# Altium PCB Napelemes_inverter.PcbDoc (part 2 of 3)
Units mil, origin at the board's own origin, x right, y up, seen from the top; angles counter-clockwise.
Board outline 11440 x 4760 mil, 2 copper layers (Top Layer, Bottom Layer); 247 components, 166 nets, 771 pads, 552 vias.
Unrouted connection lines stored in the file: 2.
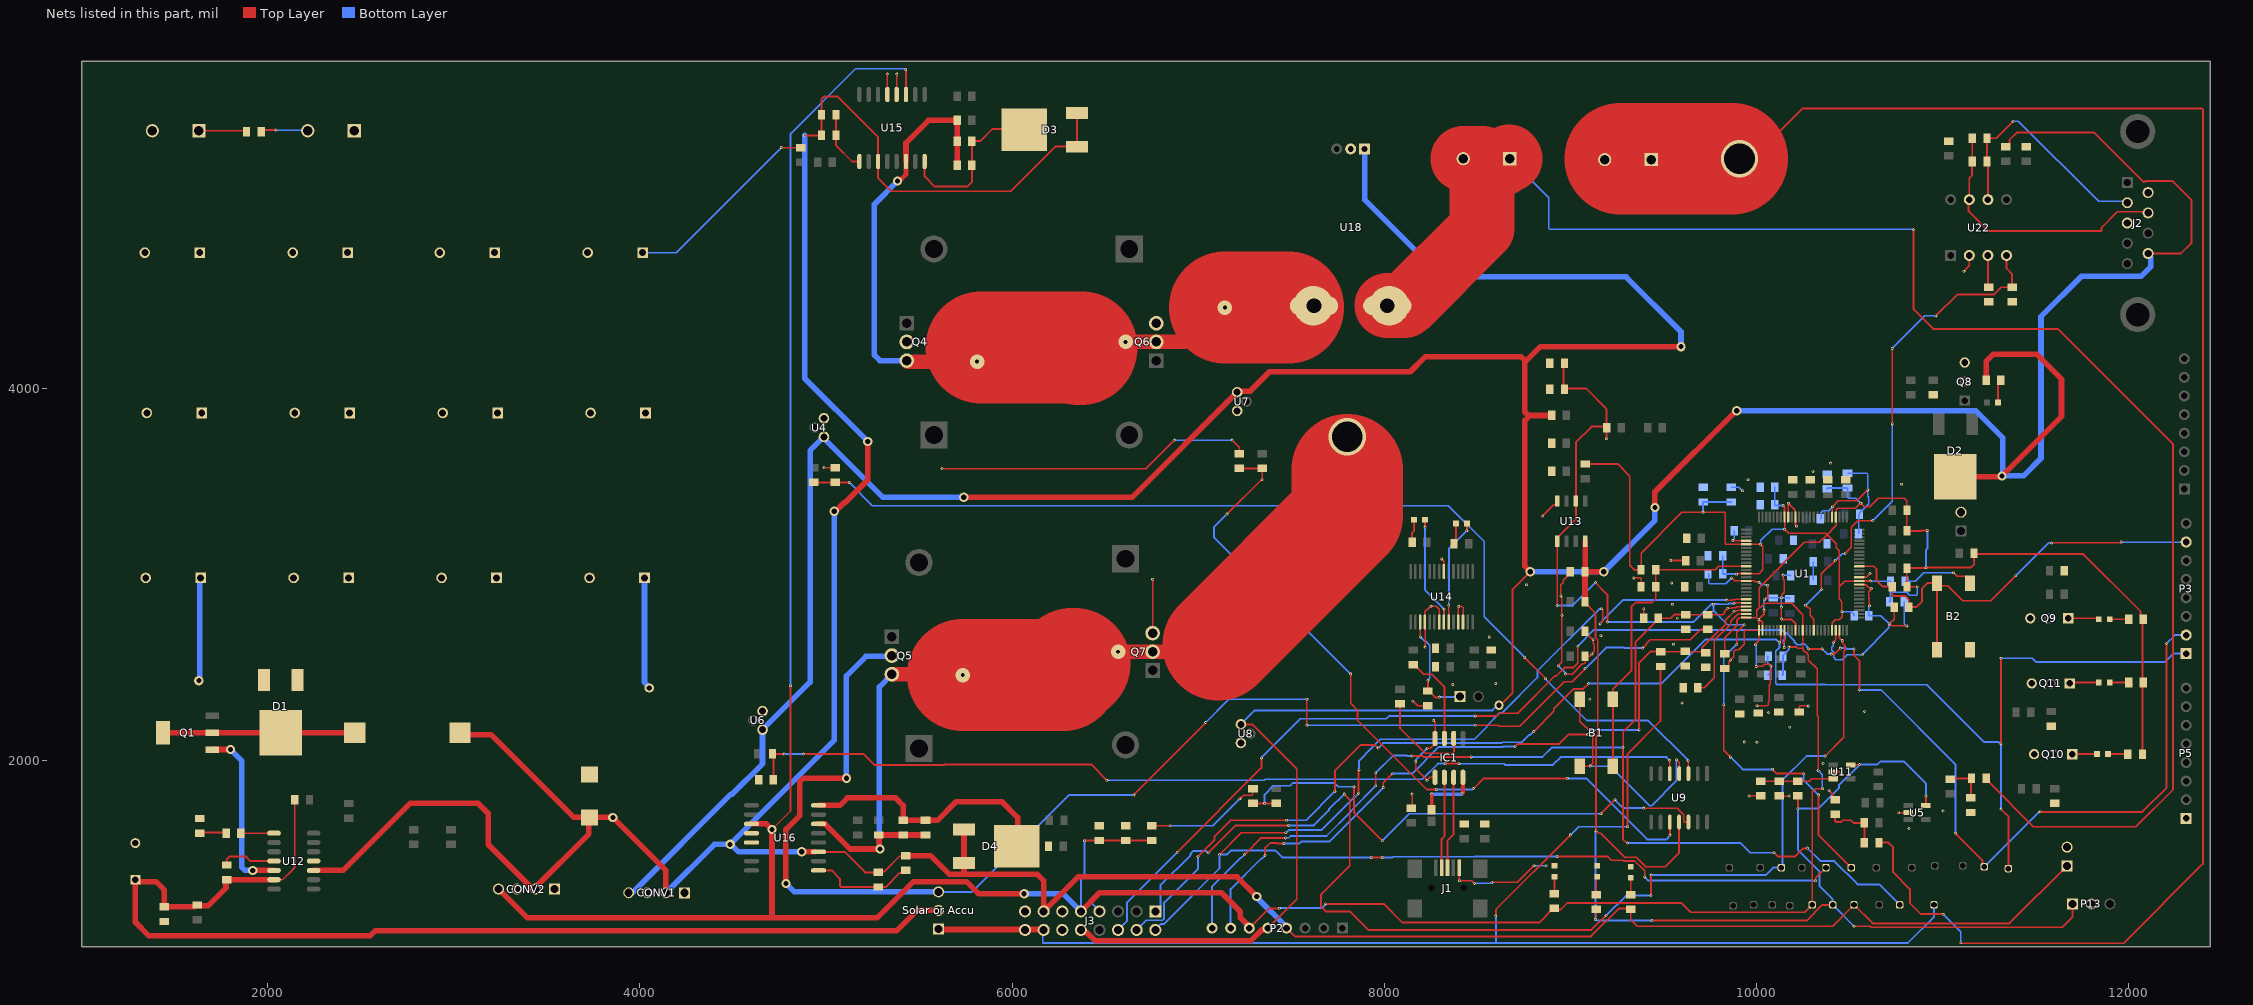
[diagram p2: the nets of this part, all layers, seen from the top]

## Via types
v1: diameter 15, hole 8, Top Layer to Bottom Layer, 504 vias
v2: diameter 50, hole 28, Top Layer to Bottom Layer, 36 vias
v3: diameter 78, hole 20, Top Layer to Bottom Layer, 5 vias
v4: diameter 170, hole 140, Top Layer to Bottom Layer, 4 vias
v5: diameter 200, hole 165, Top Layer to Bottom Layer, 2 vias
v6: diameter 30, hole 20, Top Layer to Bottom Layer, 1 vias

## Nets (pads, with @x,y where several pads share a name; then routed paths per layer and width w, separated by ;. In a path a pad name is that pad's centre, name@x,y a point inside that pad or via, vN(x,y) a via of type N, cw(c..) or ccw(c..) an arc to the next point about the centre after c; other vN are vias at no path point) (continued)
3V3: 3V3.6 C62.2 C63.2 C64.2 C75.2 C76.2 C77.2 C78.2 C79.2 C80.2 C81.2 C82.2 C83.2 C84.2 C85.2 C86.2 C87.2 C100.2 CONV2.4 J3.9 P2.6 R7.2 R8.2 R10.2 R11.2 R12.2 R72.2 R86.2 R87.2 R96.2 R97.2 R102.2 U1.5 U1.13 U1.25 U1.38 U1.46 U1.61 U1.79 U1.93 U15.3 U16.3 | length 24829.8
  Top Layer w8: R8.2@9380.63,3025 9380.63,3115.63 9600,3335 v1(9713.11,3335) 9827.31,3335 9832,3330.31 9832,3166.69 9836.69,3162 U1.5@9945.87,3162 ; U1.13@9945.87,3005 10015,3005 10035,3025 10035,3150 v1(10022.3,3162.7) U1.5@9945.87,3162.7 ; U1.25@9947,2768.87 9996.36,2768.87 10001.05,2773.56 10001.05,2807.67 10015,2821.62 ; U1.93@10151.57,3309.13 v1(10151.57,3243.43) 10151.97,3243.43 10173.39,3222 10373,3222 10380,3215 ; 10249.8,2608.31 U1.38@10249.8,2700.87 10249.8,2785.2 10190,2845 10045.7,2845 10022.32,2821.62 10015,2821.62 ; 10250.61,2604.13 10251.53,2603.22 10251.53,2593.47 10263.34,2581.66 10267.78,2581.66 10279.59,2569.85 10279.59,2540.41 10326.61,2493.39 10326.61,2242.65 10331.91,2237.35 v1(10331.91,1947.15) ; 3V3.6@10300,1225 10300,1830.25 10318.75,1849 v1(10355,1849) ; U1.46@10407.48,2700.87 10407.48,2741.41 10424.07,2758 10446.41,2758 10463,2774.59 10463,2795.4 10460.16,2798.25 v1(10460.16,2800.14) ; v1@10460,2800 10460,2855 10445,2870 10445,2935 ; U1.61@10553.91,2965.41 10475.41,2965.41 10445,2935 ; R102.2@10809.37,2945 R10.2@10809.37,3035 ; R11.2@10809.37,3235 R12.2@10809.37,3345 10809.37,3395.63 10795,3410 10655,3410 10610,3365 10580,3365 10560,3385 10531.69,3356.69 10435.27,3356.69 10428.25,3349.68 10428.25,3265.99 10427.17,3264.91 10427.17,3262.17 10380,3215 ; R102.2@10819.37,2935 v1(10865,2935) ; 10015,2821.62 10015,2930 10258.64,3173.64 10338.64,3173.64 10380,3215 ; 10380,3215 10430,3165 10430,3143.15 10445,3128.15 10445,2935
  Top Layer w10: v2(4710,1630) 4809.39,1729.39 v1(4809.39,2401.99) ; U15.3@5430,5580.12 v1@5430,5715 ; v1(6390,1570) 6391.26,1571.26 C64.2@6470,1571.26 C63.2@6610,1571.26 C62.2@6750,1571.26 ; P2.6@7275,1100 7380,1205 v1@7435,1205 ; v1(7685,1230) 7998.38,1230 8098.38,1130 8832.83,1130 8909.09,1206.26 R87.2@8915,1206.26 8921.26,1200 8950,1200 8985.32,1235.32 9597.5,1235.32 9647.81,1185 10260,1185 3V3.6@10300,1225 ; R72.2@9080,3594.37 9254.37,3594.37 9320,3528.74 9320,3050 9345,3025 R8.2@9380.63,3025 ; C100.2@9830,2573.74 9830,2660.84 9896.78,2727.61 9896.78,2756.84 9907.81,2767.87 9922.12,2767.87 9923.02,2768.78 U1.25@9945.66,2768.78 ; v1(9893,3002) 9894.35,3002 9897.35,3005 U1.13@9945.66,3005 U1.13@9945.87,3005 ; v1(10144.72,3370.76) 10144.72,3369.4 10151.37,3362.75 10151.37,3313.47 U1.93@10152.28,3312.57 ; v1(10175,2610) 10216,2610 10222.29,2603.71 10250.19,2603.71 10250.61,2604.13 ; U1.61@10558.27,2965.94 10559.21,2965 v1(10613.11,2965) ; R10.2@10809.37,3035 v1@10910,3035 ; R11.2@10809.37,3235 10889,3235 10891.15,3237.15 v1(10919,3237.15) ; v1(10911.91,3037.15) 11152.15,3037.15 11170.86,3055.86 11170.86,3072.92 11169.37,3074.41 R7.2@11169.37,3115 11174.37,3110 11757.31,3110 12064.68,2802.62 12064.68,2774.69 R86.2@12079.37,2760 12075,2755.63 12075,2424.37 R97.2@12079.37,2420 12075,2415.63 R96.2@12075,2035
  Top Layer w30: CONV2.4@3240,1310 3395,1155 4710,1155 ; U16.3@4599.88,1660 4680,1660 v2(4710,1630) 4710,1155 ; v2(6065,1285) 5820,1285 5755.47,1349.53 5469.53,1349.53 5275,1155 4710,1155 ; J3.9@6370,1190 6470,1290 7125,1290 7227.01,1187.99 7227.01,1155.85 7275,1107.86 P2.6@7275,1100
  Bottom Layer w8: v1(10022.3,3162.7) 10024.6,3165 10024.6,3183.54 10084.48,3243.43 v1(10151.57,3243.43) ; v1(10331.91,1947.15) 10355,1924.06 v1(10355,1849) ; 10720.63,2905 10809.44,2905 10824.44,2890 10860,2890 10865,2895 v1(10865,2935)
  Bottom Layer w10: v1@4810,2400 4810,5370 5158.77,5718.77 5418.21,5718.77 5420.1,5716.88 5427.16,5716.88 v1(5429.07,5714.97) ; J3.9@6370,1190 6370,1375.13 6390,1395.13 v1(6390,1570) ; v1(7436.91,1207.15) 7665.42,1207.15 7672.49,1214.23 7672.49,1214.78 7685,1227.29 v1(7685,1230) ; v1(9713.11,3335) 9713.11,3388.11 C76.2@9715,3390 C75.2@9865,3390 ; C79.2@9819.37,3101 C80.2@9819.37,3005 9820.37,3004 9889.65,3004 9891.65,3002 v1(9893,3002) ; C85.2@10099.37,3470 C86.2@10099.37,3375 10103.62,3370.76 v1(10144.72,3370.76) ; C78.2@10139.37,2460 10143.74,2464.37 C77.2@10143.74,2560 10143.74,2565.91 10174.04,2596.21 10174.04,2609.04 v1(10175,2610) ; C84.2@10380,3460.63 10385,3465.63 C83.2@10490,3465.63 10490,3415.86 10495.86,3410 10535,3410 v1(10561.97,3383.03) ; v1(10460.16,2800.14) 10510.94,2800.14 10525.63,2785.46 C87.2@10525.63,2780 ; v1@10615,2965 10616,2964 C82.2@10720.63,2964 10720.63,2905 10720.63,2860 C81.2@10715.63,2855 ; v1(10911.91,3037.15) 10911.91,3133.61 10919,3140.7 v1(10919,3237.15)
  Bottom Layer w30: v2(6065,1285) 6275,1285 J3.9@6370,1190
5V: 5V.5 C66.1 CONV1.4 D2.4 J2.9 J3.10 P2.5 P13.1 R40.2 R56.2 R76.1 R82.1 R88.2 R93.2 U4.1 U5.5 U6.1 U7.1 U8.1 U9.11 U11.5 U13.8 U18.1 | length 31808.7
  Top Layer w10: U8.1@7230,2195 7291.58,2195 7530,1956.58 7530,1255 P2.5@7375,1100 ; v2(8617.39,2297.61) 8622.61,2297.61 8690,2365 8690,2920 v2(8785,3015) ; R76.1@9079.37,2855 9079.37,2849.09 9135,2793.46 9135,2664.06 9148,2651.06 9148,2142.09 9139,2133.09 9139,1622.77 v1(9138.73,1622.5) 9140.08,1622.5 9152.73,1609.85 9164.98,1609.85 9294.12,1480.71 9355.24,1480.71 9405.95,1430 9510,1430 9585,1505 U9.11@9585,1670 ; v1@9140,1150 R88.2@9140,1200.63 ; v1(9439.82,1140.18) 9440,1140 10270.36,1140 10355.36,1225 5V.5@10410,1225 ; v1(10223,1742) R40.2@10223,1810.63 ; U11.5@10507.49,1977.4 10508.29,1978.2 10554.2,1978.2 v1(10555,1979) ; v1(10525,1110) 10611.72,1110 10616.72,1105 11645,1105 11700,1160 P13.1@11700,1230 ; v1@10910,1810 10911.24,1808.76 U5.5@10911.24,1758.4 ; R93.2@11340,5299.37 11345.91,5299.37 11360.59,5314.06 11360.59,5335.59 11400,5375 11815,5375 12079.5,5110.5 12083.64,5110.5 12084.49,5110.97 12092.84,5115.59 12234.41,5115.59 12338.86,5011.14 12338.86,4782.66 12281.8,4725.6 J2.9@12105.6,4725.6 ; 12093.05,5115.16 12084.75,5110.5 cw(c12095,5067.17) 12095,5111.69
  Top Layer w30: v2(5740,3415) 6645,3415 U7.1@7210,3980 7215.18,3985.18 7279.8,3985.18 7384.62,4090 8140,4090 8220,4170 8737.43,4170 8755,4152.43 8755,4140 ; J3.10@6370,1090 6379.46,1090 6394.89,1074.57 6404.14,1074.57 6446.19,1032.52 7284.63,1032.52 7342.11,1090 7344.45,1090 7348.9,1094.44 7369.44,1094.44 P2.5@7375,1100 ; 8775,3844.41 8772.57,3844.41 8755,3826.84 8755,3045 v2(8785,3015) ; R82.1@8900.63,3855 8775,3855 8755,3875 8755,4140 ; R76.1@9079.37,2855 C66.1@9079.37,3015 v2(9180,3015) ; C66.1@9080,3015.63 U13.8@9080,3179.25 ; v2(9455,3360) 9455,3445 v2@9892.5,3882.5 ; v2(9595,4225) 8840,4225 8755,4140 ; D2.4@11070,3525 11315,3525 v2(11320,3530) 11640,3850 11640,4050 11505,4185 11275,4185 11235.2,4145.2 R56.2@11235.2,4045
  Bottom Layer w10: U8.1@7230,2195 7305,2270 8581.53,2270 8609.14,2297.61 v2(8617.39,2297.61) ; v1(9134.37,1145.63) 9135,1146.27 9135,1617.42 9138.73,1621.15 v1(9138.73,1622.5) ; v1@9139.37,1145.63 9144.82,1140.18 v1(9439.82,1140.18) ; v1(10525,1110) 5V.5@10410,1225 10410,1255 10340,1325 10340,1404.14 10223,1521.14 v1(10223,1742) 10333,1742 10443.52,1852.52 10443.52,1867.52 v1(10555,1979) 10555.36,1979.36 10650.84,1979.36 10666.48,1995 10795,1995 10911.42,1878.58 v1(10911.42,1810.04)
  Bottom Layer w30: CONV1.4@3940,1290 3945.56,1295.56 3965.56,1295.56 4490,1820 4496.57,1820 4659.16,1982.58 U6.1@4659.16,2166.33 4915,2422.18 4915,3665.81 4985.07,3735.88 5305.95,3415 v2(5740,3415) ; U18.1@7895.2,5287.58 7895.2,5014.8 8310,4600 9300,4600 9595,4305 v2(9595,4225) ; v2(8785,3015) v2(9180,3015) 9455,3290 v2(9455,3360) ; v2(9895,3880) 11180,3880 11325,3735 11325,3580 11323.83,3578.83 11323.83,3533.83 v2(11320,3530) 11435,3530 11530,3625 11530,4386.54 11746.26,4602.8 12067.8,4602.8 12120,4655 12120,4703.34 12105.6,4717.74 J2.9@12105.6,4725.6
10V: 10V.4 C17.1 C50.2 C51.2 C54.2 C55.2 CON1.1 CONV1.2 CONV2.2 D3.1 D3.3 D4.1 D4.3 J3.13 L1.2 P2.4 R89.2 U12.3 U15.11 U16.11 | length 19010.3
  Top Layer w10: v1(4885,5360) C50.2@4975.63,5360 C51.2@4975.63,5470 4975.63,5555.63 4990,5570 5060,5570 5280,5350 U15.11@5280,5219.88 5280,5130 5350,5060 5992.43,5060 6232.28,5299.84 D3.1@6348.46,5299.84 D3.3@6348.46,5480.16 ; U16.11@4941.2,1510 U16.11@4960.12,1510 5100,1510 5210.63,1399.37 C54.2@5280,1399.37 ; C54.2@5280,1403.42 5312.44,1403.42 5395.27,1486.24 5426.87,1486.24 C55.2@5430,1489.37 ; P2.4@7475,1100 7519.53,1055.47 9111.38,1055.47 9260.91,1205 9320.63,1205 R89.2@9325,1200.63 9325,1145 9360,1110 10410,1110 10V.4@10525,1225 10625,1125 11360,1125 CON1.1@11670,1435
  Top Layer w30: U12.3@2246.3,1410.24 2405.24,1410.24 2765,1770 3131.57,1770 3185,1716.57 3185,1550 CONV2.2@3432.5,1302.5 ; L1.2@3023.07,2150 3033.07,2140 3200,2140 3645.16,1694.84 C17.1@3730,1694.84 ; CONV2.2@3433.78,1304.69 3435,1305.92 3435,1315 3725.82,1605.82 3725.82,1690.67 C17.1@3730,1694.84 ; v2(3855,1695) v2@3855.16,1694.84 ; v2@3865.16,1694.84 v2@3855.16,1694.84 ; CONV1.2@4140,1290 4140,1410 v2@3855.16,1694.84 ; v2(4870,1510) U16.11@4941.2,1510 ; v2(5045,3340) 5050.41,3340 5096.67,3386.25 5101.61,3386.25 5225,3509.64 v2(5225,3715) ; C55.2@5430,1489.37 5430.63,1490 5561.57,1490 5661.57,1390 5745,1390 ; D4.1@5745,1626.93 D4.1@5741.77,1630.16 D4.3@5741.77,1449.84 5741.77,1393.23 5745,1390 ; v2(7315,1270) 7210,1375 6355,1375 J3.13@6170,1190 6170,1355 6135,1390 5745,1390 ; C17.1@3730,1694.84 v2@3855.16,1694.84
  Bottom Layer w30: CONV1.2@4140,1290 4400,1550 v2(4485,1550) ; v2(4870,1510) 4530.41,1510 4490.41,1550 v2(4485,1550) ; v1(4885,5360) 4885,4055 v2(5225,3715) ; v2(5045,3340) 5045,2110 v2(4485,1550) ; v2(7315,1270) 7315,1265 7475,1105 P2.4@7475,1100
/XRS: B1.3 B1.4 C2.2 R8.1 U1.11 | length 1696.3
  Top Layer w8: R8.1@9459.37,3025 9780,3025 9799.37,3044.37 U1.11@9945.66,3044.37
  Top Layer w10: B1.4@9228.58,2329.13 9228.58,2383.58 9330,2485 9330,2829.14 9350.86,2850 9440,2850 9459.37,2869.37 C2.2@9459.37,2935 R8.1@9459.37,3025 ; B1.3@9230,1966.73 B1.4@9230,2325
Accumulator_GND: B1.1 B1.2 B2.1 B2.2 C1.1 C2.1 C3.2 C6.1 C7.1 C8.1 C9.1 C10.1 C11.1 C12.1 C13.1 C14.2 C15.1 C17.2 C31.1 C32.1 C33.1 C34.1 C35.1 C36.1 C37.1 C38.1 C39.1 C40.1 C41.1 C42.1 C43.1 C45.1 C46.1 C47.1 C48.1 C49.1 C62.1 C63.1 C64.1 C65.2 C66.2 C67.2 C70.2 C73.1 C74.1 C75.1 C76.1 C77.1 C78.1 C79.1 C80.1 C81.1 C82.1 C83.1 C84.1 C85.1 C86.1 C87.1 C88.1 C89.1 C90.1 C91.1 C92.1 C93.1 C94.1 C95.1 C96.1 C97.1 C98.1 C99.1 C100.1 C101.1 CON1.2 CONV1.1 CONV1.3 CONV2.1 CONV2.3 D1.1 D1.3 DS5.2 DS6.2 DS7.2 IC1.4 IC1.5 J1.5 J2.3 J2.6 J3.7 J3.11 J3.12 J3.15 J6.1 J6.2 JP1.2 P5.1 P13.2 Q6.3 Q7.3 Q8.3 Q9.3 Q10.3 Q11.3 R1.2 R2.1 R3.1 R4.1 R5.1 R6.1 R9.1 R32.1 R33.1 R34.1 R35.1 R41.1 R42.1 R43.1 R49.1 R54.1 R55.1 R58.1 R63.1 R64.1 R75.1 R77.2 R84.2 R91.1 R94.1 R95.1 R100.1 R101.1 U1.4 U1.15 U1.26 U1.27 U1.36 U1.47 U1.60 U1.62 U1.80 U1.90 U1.92 U4.3 U5.2 U6.3 U7.3 U8.3 U9.4 U11.2 U12.4 U13.4 U14.7 U14.18 U14.21 U14.25 U14.26 U15.4 U15.5 U16.4 U16.5 U18.2 U22.2 | length 15684
  Top Layer w8: v1(4760,5295) 4760.63,5294.37 R54.1@4865,5294.37 ; v1(4990,3575) 4990.63,3574.37 C6.1@5050,3574.37 ; U15.5@5330,5580.12 5330,5690 5330.78,5690 v1(5330.86,5690.08) ; U15.4@5380,5580.12 v1@5380,5690 ; v1(5623.87,3569.54) 6719.54,3569.54 v1(6872.5,3722.5) ; C62.1@6750,1650 v1(6850,1650) ; v1(6755,2975) 6755.25,2974.75 6755.25,2685.64 Q7.3@6755.49,2685.39 ; v1(7182.5,3722.5) 7220,3685 C9.1@7220,3649.37 ; v1(7225,1795) 7245,1815 7290.31,1815 7295,1819.69 C10.1@7295,1849.37 ; C49.1@8145,1744.37 8150,1749.37 v1(8150,1820) ; v1@8155,2320 8179.37,2295.63 C46.1@8235,2295.63 ; v1(8170,1995) 8170,1955.95 v1@8230.47,1895.47 ; v1(8220,2610) 8219.48,2610.52 8219.48,2744.65 U14.18@8218.96,2745.17 8218.96,2798.96 8250,2830 8280.31,2830 8295.73,2814.58 U14.21@8295.73,2745.17 ; v1(8230.56,2065.49) 8247.25,2065.49 8273.52,2091.77 IC1.4@8273.52,2119.33 8273.52,2206.48 v1@8265,2215 ; v1(8230.86,1895.08) v1@8230.47,1895.47 ; IC1.5@8273.52,1910.67 8245.67,1910.67 v1@8230.47,1895.47 ; v1@8310,3085 8321.32,3073.68 U14.7@8321.32,3016.82 ; U14.25@8398.09,2745.17 8398.09,2825.31 8402.78,2830 8415.31,2830 8423.68,2821.63 U14.26@8423.68,2745.17 ; J1.5@8403.19,1424.49 8404.09,1423.58 8404.09,1355.91 v1(8405,1355) ; v1@8405.41,1355 8470,1355 v1(8485,1340) ; v1(8579.37,1345.31) 8715.31,1345.31 v1(8805,1435) ; v1@8849.7,3314.7 8910.88,3375.88 8922.19,3375.88 8930,3383.69 U13.4@8930,3395 ; v1(8935,2510) 8955,2530 v1(8955,2780) 8955,2876.75 8950,2881.75 v1(8950,2885) 8950,2945.74 8961.2,2956.95 8961.2,2969.67 9000.63,3009.09 C66.2@9000.63,3015 ; v1(8975,2465) 9010,2465 9065,2520 9075.31,2520 9080,2524.69 9080,2559.37 R77.2@9079.37,2560 9105,2560 9111.06,2566.06 9111.06,2567.81 9116.56,2573.31 v1(9116.56,2573.8) ; B1.1@9051.42,1970.87 9051.55,1971 v1(9107,1971) 9107,1972.89 9120,1985.89 9120,2143.51 9051.42,2212.09 B1.2@9051.42,2329.13 ; C67.2@9079.37,2695 9079.37,2689.09 9117.13,2651.34 9122.66,2651.34 v1(9124,2650) 9124.49,2649.51 9124.49,2628.5 9128.49,2624.5 9128.49,2588.49 9117.89,2577.89 9117.89,2577.03 v1@9115.86,2575 ; v1(9341,2982) 9375.36,2982 9380.63,2976.73 C2.1@9380.63,2935 ; C12.1@9395.01,2765.2 v1(9395,2816) ; v1@9570,2005 9585,1990 U9.4@9585,1930 ; C100.1@9830,2495 9835.91,2495 9851.59,2510.69 9851.59,2529.7 9861,2539.11 v1(9861,2541) 9862.33,2541 9880,2558.67 9880,2585 9890,2595 9905,2595 9935,2625 9935,2695 9940.87,2700.87 U1.26@10013.57,2700.87 ; v1(9867,2982) 9883.37,2965.63 U1.15@9945.66,2965.63 9990.15,2965.63 9995.39,2960.39 10012.31,2960.39 v1(10013.65,2959.05) ; v1@9870,3185 9872.83,3182.17 U1.4@9945.66,3182.17 ; v1(9960,1810) 9960.63,1810.63 C13.1@10023,1810.63 ; v1@9995,2625 10013.57,2643.57 U1.26@10013.57,2700.87 ; v1(10000,2506) 10033,2506 10046.19,2519.19 10066.22,2519.19 10076.47,2508.94 v1(10078.36,2508.94) ; v1(10003,2295) 10004.27,2293.73 10059.73,2293.73 10065,2299 10065,2315 10070,2320 10070,2405 10075,2410 10075,2479.5 10078.94,2483.44 10078.94,2508.06 v1@10078.21,2508.79 ; 10040.52,2786.19 10013.57,2759.25 U1.26@10013.57,2700.87 ; v1(10046.5,2866.5) 10060.47,2880.47 v1(10060.47,2942.69) ; R43.1@10123,1810.63 10123.63,1810 v1(10175,1810) ; v1(10135,2760.63) v1(10135,2825.63) ; v1(10135,2875) 10135.47,2875.47 10135.47,2890.47 10150,2905 10150,2970.23 10144.73,2975.5 10144.73,2996.27 v1(10144,2997) ; U1.92@10171.59,3309.13 10171.59,3383.41 10210.43,3344.57 U1.90@10210.43,3309.13 ; R35.1@10230,2261.06 10230,2290 10235,2295 10277.86,2295 v1(10278.82,2294.04) ; v1(10390,1840) 10413,1817 10413,1800 C3.2@10423,1790 ; U1.80@10407.28,3309.13 10407.28,3362.28 v1(10410,3365) 10440.47,3395.47 10540.47,3395.47 v1(10600,3455) ; U11.2@10413,1940 10413.9,1939.1 10445.9,1939.1 v1(10460,1925) ; v1(10414,2635) 10414,2636.89 10426.96,2649.85 U1.47@10426.96,2700.87 ; U1.60@10553.93,2945.94 10589.06,2945.94 v1@10614.64,2920.36 ; U1.62@10553.93,2985.32 10590.32,2985.32 v1@10610,3005 ; v1(10608,2832) 10608,2869.5 10605,2872.5 10605,2908.11 10615,2918.11 10615,2920 v1@10614.64,2920.36 ; v1(10618.84,2924.56) v1@10614.64,2920.36 ; C101.1@10740.63,2825 10740.63,2760.63 v1(10715,2735) 10715.08,2735 10725.69,2724.4 v1(10809,2724.4) ; v1(10765,1720) 10815.76,1720 U5.2@10816.76,1721 ; v1(11060,3010) 11078.53,2991.47 11125.02,2991.47 11148.58,2967.91 B2.1@11148.58,2954.13 ; v1@11115,4630 11144.57,4659.57 U22.2@11144.57,4715
  Top Layer w10: C43.1@1964.37,5380 1974.37,5390 v1(2045,5390) ; v1(9540,3075) R5.1@9620.63,3075 ; v1@10013.57,2759.25 10022.82,2750 10027.4,2750 10033.26,2744.14 U1.27@10033.26,2700.87 ; 10040.52,2786.19 v1(10040.52,2809.41) ; v1@10135,2758.33 10189.78,2758.33 10203.7,2744.41 10204.57,2744.41 10210.43,2738.55 U1.36@10210.43,2700.87 ; U1.90@10210.43,3309.13 10211.33,3308.23 10211.33,3266.02 10216,3261.35 v1(10216,3260) ; C7.1@11151.94,1720.2 C7.1@11153,1721.26
  Bottom Layer w8: C39.1@4014.68,4730 4195.78,4730 4760,5294.22 v1(4760,5295) ; 6425,1240 6425.31,1240 6430,1235.31 6430,1230 J3.7@6470,1190 ; v1(6850,1650) 7080,1650 v1(7225,1795) ; v1(6872.5,3722.5) v1(7182.5,3722.5) ; v1(8170,1995) 8170,2004.93 v1(8230.56,2065.49) ; v1(8485,1340) 8575,1340 v1@8580,1345 ; v1(8805,1435) v1@8870,1435 ; v1(8935,2510) 8975,2470 v1(8975,2465) ; v1(9107,1971) 9214,1971 9426.69,1758.31 9437.25,1758.31 9570.86,1891.92 v1(9570.86,2005.08) ; C80.1@9740.63,3005 9745,3000.63 9745,2955 9750,2950 9835,2950 v1(9867,2982) ; C75.1@9865,3468.74 9905.37,3468.74 9924.11,3450 v1(9926,3450) ; v1(9872.91,3182.84) 9872.91,3184.73 9880.63,3192.45 C88.1@9880.63,3235 ; v1(9995.63,2623.07) 9995.63,2621.17 10000,2616.8 v1(10000,2506) ; v1(10013.65,2959.05) 10028.65,2944.06 v1@10059.06,2944.06 ; v1(10040.52,2809.41) 10040.52,2860.52 v1(10046.5,2866.5) 10054.37,2874.37 C93.1@10090,2874.37 v1@10135,2874.37 ; C78.1@10060.63,2460 10076.32,2475.69 10076.32,2505 10078.36,2507.05 v1(10078.36,2508.94) ; C77.1@10065,2560 10062.46,2557.46 10062.46,2524.46 10076.24,2510.68 v1@10076.32,2510.68 ; v1(10135,2825.63) v1@10135,2874.37 ; v1(10135,2875) v1@10135,2874.37 ; v1(10144,2997) 10182.37,2997 C91.1@10184.37,2995 ; C92.1@10180,2869.37 10175,2874.37 v1@10135,2874.37 ; C95.1@10305.63,2970 C94.1@10305.63,3070 ; C99.1@10344.37,3300 10347.9,3303.53 10347.9,3332.9 10358.3,3343.3 10388.3,3343.3 v1(10410,3365) ; v1(10414,2635) 10412.66,2633.66 10412.66,2617.16 10405,2609.5 10405,2592.1 10415,2582.1 10415,2555 10426.81,2543.19 10462.5,2543.19 10489.31,2570 v1(10570,2570) 10713,2713 10713,2733 v1(10715,2735) 10670,2780 C87.1@10604.37,2780 10605,2780.63 10605,2827.11 10608,2830.11 v1(10608,2832) ; C83.1@10490,3544.37 10490.63,3545 10595,3545 10600,3540 v1(10600,3455) 10600,3421.55 10605,3416.55 10605,3381.54 10554.37,3330.91 C97.1@10554.37,3325 10549.37,3320 C96.1@10549.37,3220 ; C81.1@10794.37,2855 10794.37,2735.63 v1@10805,2725 ; C82.1@10799.37,2964 10854,2964 10900,3010 v1(11060,3010)
  Bottom Layer w10: v1(2045,5390) 2046.91,5388.09 2211.91,5388.09 J6.2@2215,5385
  Bottom Layer w30: v2(1630,2430) 1633.83,2433.83 1633.83,2976.19 C34.1@1639.68,2982.05 ; C31.1@4024.68,2982.05 4024.68,2420.73 4050,2395.41 v2(4050,2390)
  other v1: 8870.93,1435 10821.1,1634.7 11003.82,1729.04 10358.82,1984.04 10004.31,2098.75 9935,2100 10180,2180 8265.86,2215.08 10066,2259 10581.39,2264.47 9600,2310 8153.87,2319.54 9105,2330 8368.87,2409.54 8600,2415 9555,2625 8565,2665 9164.58,2671.2 10013.05,2758.32 9575,2765 8401.3,2827.74 8250.86,2830.08 9550,2840 8765,2945 9545,2955 10610.86,3005.08 8309.33,3084.37 8850.57,3314.79 10172.45,3383.49 10780,3485 9955,3510 10303.82,3554.04 10398.82,3599.04 11115.86,4630.08 5380.86,5690.08
Accumulator_Voltage_Boost: 
BDS: C16.1 U12.11 | length 300.9
  Top Layer w10: C16.1@1780,1439.37 1780,1470 1795,1485 1881.74,1485 1906.62,1460.12 2033.58,1460.12 U12.11@2033.7,1460.24
COMP: C18.2 U12.8 | length 178.8
  Top Layer w10: C18.2@1855,1610 2033.46,1610 U12.8@2033.7,1610.24
D+: IC1.7 J1.3 | length 500
  Top Layer w10: J1.3@8340.2,1424.49 8340.2,1570.2 8373.52,1603.52 IC1.7@8373.52,1910.67
D-: IC1.6 J1.2 | length 493.5
  Top Layer w10: J1.2@8308.7,1424.49 8308.7,1578.7 8325,1595 8325,1909.19 IC1.6@8323.52,1910.67
Fuse_Input: 
Fuse_Output: 
GDRV: Q1.1 U12.12 | length 936.7
  Top Layer w30: Q1.1@1701.89,2059.45 1702.17,2059.72 1799.72,2059.72 v2(1800,2060) ; v2(1920,1410) 1920.12,1410.12 2033.58,1410.12 U12.12@2033.7,1410.24
  Bottom Layer w30: v2(1800,2060) 1860,2000 1860,1427.57 1877.57,1410 v2(1920,1410)
NetB2_3: B2.3 B2.4 C101.2 P3.7 R102.1 U1.65 | length 2552
  Top Layer w8: B2.3@10971.42,2954.13 10985.55,2940 11030,2940 11110,2860 11260,2860 v1@11393.22,2993.22 ; v1(11585.86,3170.08) 11953.97,3170.08 11958.97,3175.08 v1(11960.86,3175.08)
  Top Layer w10: U1.65@10554.13,3044.37 10630.63,3044.37 10645,3030 10645,2970 10680,2935 R102.1@10730.63,2935 10730.63,2890.86 10736.49,2885 10800,2885 10819.37,2865.63 C101.2@10819.37,2825 10860,2825 10890,2855 10890,2925 10919.13,2954.13 B2.3@10971.42,2954.13 B2.4@10971.42,2595.87
  Bottom Layer w8: v1(11394.08,2993.3) 11570.78,3170 v1@11585,3170 ; v1@11960.86,3175 P3.7@12310,3175
NetC1_2: C1.2 U1.24 | length 551.9
  Top Layer w8: C1.2@9685.37,2391 9721,2391 9775,2445 9775,2645.84 9863.5,2734.34 9863.5,2750.44 9899.94,2786.87 9903.69,2786.87 9905.06,2788.24 U1.24@9945.66,2788.24
NetC3_1: C3.1 R18.2 R19.1 | length 309.8
  Top Layer w10: C3.1@10423,1711.26 10423,1676.57 10428.86,1670.72 10455.36,1670.72 10464.64,1680 10507.79,1680 10522.79,1665 R19.1@10580.63,1665 R18.2@10580.63,1560
NetC4_2: 
NetC5_2: 
NetC6_2: C6.2 R17.2 U9.3 | length 5629.3
  Top Layer w8: v1(9633,2001) 9634,2000 9634,1931 U9.3@9635,1930
  Top Layer w10: R17.2@4935,3495.63 C6.2@5050,3495.63 5090.59,3495.63 5091.22,3495 v1(5125,3495) ; v1(8755,2555) 8755,2553.75 8866.93,2441.82 v1(8866.93,2440.57)
  Bottom Layer w10: v1(5125,3495) 5250,3370 8345.36,3370 8537.68,3177.68 8537.68,2772.32 v1(8755,2555) ; v1(8866.93,2440.57) 8866.93,2438.07 9090,2215 9419,2215 v1(9633,2001)
NetC7_2: C7.2 R20.2 R21.1 | length 222.5
  Top Layer w10: R21.1@11042.37,1900 11047.08,1904.71 R20.2@11156.7,1904.71 11153,1901.01 C7.2@11153,1800
NetC8_2: C8.2 R22.2 U9.5 | length 5154
  Top Layer w8: v1(9534,2002) 9534.5,2001.5 9534.5,1930.5 U9.5@9535,1930
  Top Layer w10: R22.2@4712.28,2036.33 R22.2@4717.91,2036.33 ; C8.2@4717.91,1901.33 R22.2@4717.91,2036.33 ; v1(4775,2035) 4773.67,2036.33 R22.2@4717.91,2036.33 ; v1(4880,2035) 5201.96,2035 5259.79,1977.17 5636.81,1977.17 5639.64,1980 6425,1980 v1(6510,1895) ; v1(8328.68,1984.22) 8400.78,1984.22 v1(8401.97,1983.03)
  Bottom Layer w10: v1(4775,2035) v1(4880,2035) ; v1(6510,1895) 7356.35,1895 7361.35,1900 8205,1900 8289.22,1984.22 v1(8328.68,1984.22) ; v1(8401.97,1983.03) 8644.63,1983.03 8650.16,1977.5 8906.53,1977.5 8948.03,2019 9517,2019 v1(9534,2002)
NetC9_2: C9.2 R23.2 U9.10 | length 3986.5
  Top Layer w10: v1(7155,3325) 7338.09,3508.09 7343.09,3508.09 v1(7345,3510) 7344.38,3510.62 R23.2@7344.38,3570.83 7344.18,3570.63 C9.2@7220,3570.63 ; v1(7820,2465) 7820,2308.41 7856.59,2271.82 7856.59,2216.95 8228.54,1845 v1(8280,1845) ; v1(8480,1850) 8535,1905 v1(8985,1905) ; U9.10@9535,1670 9535.5,1669.5 9535.5,1600.5 v1(9536,1600)
  Bottom Layer w10: v1(7155,3325) 7085,3255 7085,3200 v1(7820,2465) ; v1(8280,1845) 8472.29,1845 8477.29,1850 v1(8480,1850) ; v1(8985,1905) 9085,1905 9413.09,1576.91 9518.91,1576.91 9525.98,1583.98 9525.98,1588.63 9536,1598.65 v1(9536,1600)
NetC10_2: C10.2 R24.2 U9.12 | length 2845.8
  Top Layer w8: v1(9395,1745) 9573.94,1745 9609,1709.94 9609,1674.69 9613.69,1670 U9.12@9635,1670
  Top Layer w10: C10.2@7295,1770.63 v1(7357.19,1770.63) 7419.37,1770.63 R24.2@7420,1771.26 ; v1(7837.52,1859.42) 7837.52,1722.48 v1(7990,1570) ; v1(9165,1715) v1(9240,1790)
  Bottom Layer w10: v1(7357.19,1770.63) 7357.19,1817.19 7405,1865 7495,1865 7510,1880 7731.94,1880 7752.52,1859.42 v1(7837.52,1859.42) ; v1(7990,1570) 8135,1715 v1(9165,1715) ; v1(9240,1790) 9285,1745 v1(9395,1745)
NetC11_2: C11.2 P2.7 R38.1 R41.2 U1.23 | length 3908.2
  Top Layer w8: v1@9885.39,2805 9896.36,2805 9899.51,2808.15 U1.23@9945.66,2808.15
  Top Layer w10: v1(7360,1490) 7359.04,1490.96 7359.04,1512.31 7358.11,1513.25 7358.11,1528.11 7387.5,1557.5 7421.82,1557.5 7424.32,1555 v1(7460,1555) ; v1(7995,1855) 7995,1881.96 v1(8042.98,1929.94) ; v1(8703.11,2076.5) 8704.46,2076.5 8717.96,2090 8940,2090 8990,2140 v1(9093.11,2140) ; v1(9370,2165) 9370,2525 9432.5,2587.5 9484.67,2587.5 R38.1@9486.99,2585.17 R41.2@9720.68,2585.17 ; v1(9880,2801.5) 9835,2756.5 9835,2734.14 9774.26,2673.4 9710.43,2609.57 9710.43,2595.43 R41.2@9720.68,2585.17 ; R41.2@9720.68,2585.17 9722.57,2585.17 R41.2@9727,2580.74 9725.11,2580.74 R41.2@9720.68,2585.17
  Bottom Layer w10: P2.7@7175,1100 7175,1310 7338.05,1473.05 7343.05,1473.05 v1(7360,1490) ; v1(7460,1555) 7545,1555 7555,1565 7705,1565 v1(7995,1855) ; v1(8042.98,1929.94) 8043.04,1930 8150,1930 8294,2074 8638.64,2074 8641.14,2076.5 v1(8703.11,2076.5) ; v1(9093.11,2140) 9118.11,2165 v1(9370,2165)
NetC12_2: ADC_Accu.2 C12.2 P2.8 R39.1 R42.2 U1.22 | length 6228.3
  Top Layer w8: v1(9846.13,2819.13) 9867.9,2819.13 9871.77,2823 9888.91,2823 9893.74,2827.83 U1.22@9945.66,2827.83
  Top Layer w10: v1(7250,1495) 7340,1585 v1(7470,1585) ; v1(7955,1865) v1(7955,1935) ; v1(8150,2025) 8206.72,2025 8211.72,2020 v1(8468.11,2020) ; v1(9283.11,2070) 9283.11,1576.89 v1@9305,1555 ; v1@9285,2070 9285,2155 9350,2220 9350,2635.54 9473.75,2759.29 C12.2@9473.75,2765.2 9540.2,2765.2 9560,2785 9619.37,2785 R42.2@9620,2784.37 R39.1@9740,2784.37 9819.37,2784.37 9829.9,2794.9 9829.9,2802.9 v1(9846.13,2819.13) ; v1(10095,1505) 10115,1485 10209.09,1485 10252.18,1528.09 10273.09,1528.09 v1(10275,1530)
  Bottom Layer w10: P2.8@7075,1100 7075,1325 7228.05,1478.05 7233.05,1478.05 v1(7250,1495) ; v1(7470,1585) 7470.96,1585.96 7488.46,1585.96 7497.5,1595 7690,1595 7822.02,1727.02 7822.02,1732.02 v1(7955,1865) ; v1(7955,1935) 8047.5,2027.5 8123.41,2027.5 8125.91,2025 v1(8150,2025) ; v1@8470,2020 8850.88,2020 8900.88,2070 v1(9283.11,2070) ; v1(9306.91,1556.91) 9916.38,1556.91 9968.28,1505 v1(10095,1505) ; v1(10275,1530) 10345,1460 10419.64,1460 10544.64,1335 10660,1335 ADC_Accu.2@10770,1225
NetC13_2: C13.2 R40.1 R43.2 U11.3 | length 395.5
  Top Layer w10: C13.2@10023,1889.37 R43.2@10123,1889.37 R40.1@10223,1889.37 10284.37,1889.37 10297.6,1902.6 U11.3@10413,1902.6
NetC14_1: "Solar or Accu.1" "Solar or Accu.2" ADC_Solar.1 C14.1 C15.2 C16.2 J3.14 J3.16 R38.2 R44.2 R45.2 U12.13 | length 13640.2
  Top Layer w10: U12.13@2033.7,1360.24 2079.38,1360.24 2139.14,1420 2145,1425.86 2145,1785.43 R45.2@2149.57,1789.99 ; v1(8600,1165) 8600,1200 v1(9000,1600) ; v1(9308.11,1645) 9308.11,2036.46 9485,2213.36 9485,2504.44 R38.2@9486.99,2506.43
  Top Layer w30: R44.2@1620,1219.68 1679.67,1219.68 1775.85,1315.86 1775.85,1356.48 C16.2@1780,1360.63 ; R44.2@1620,1224.37 1614.09,1224.37 1604.09,1214.37 C15.2@1445,1214.37 1445,1305 1401.46,1348.54 1300.12,1348.54 C14.1@1288.54,1360.12 1288.54,1131.46 1360,1060 2551.87,1060 2576.87,1085 5380,1085 5490,1195 5605,1195 ; C16.2@1780,1360.12 2033.58,1360.12 U12.13@2033.7,1360.24 ; 5605,1095 5607.5,1092.5 6167.5,1092.5 J3.14@6170,1090
  Bottom Layer w10: J3.14@6170,1090 6165,1085 6165,1020 8600,1020 ; v1(8600,1165) 8600,1020 ; v1(9000,1600) 9045,1645 v1(9308.11,1645) ; ADC_Solar.1@10955,1225 10955,1160 10815,1020 8600,1020
NetC18_1: C18.1 R49.2 | length 143.1
  Top Layer w10: R49.2@1635.01,1614.57 1771.69,1614.57 C18.1@1776.26,1610
NetC31_2: "Solar or Accu.3" C31.2 C32.2 C33.2 C34.2 C35.2 C36.2 C37.2 C38.2 C39.2 C40.2 C41.2 C42.2 C43.2 J5.1 J5.2 Q4.2@5434.51,4250 Q5.2@5354.51,2565 R39.2 | length 7700.1
  Top Layer w8: v1(7585,2190) v1(7585,2330) ; v1(8490,2190) 8612.65,2190 8618.01,2184.64 8728.58,2184.64 8968.41,2424.47 9009.47,2424.47 v1(9080,2495)
  Top Layer w10: J5.1@1630,5385 1880.63,5385 C43.2@1885.63,5380 ; v1(6655,1815) 6655,1817.5 7040,2202.5 v1(7040,2205) ; v1(9390,2605) 9408.71,2623.71 9408.71,2628.71 9430,2650 9645,2650 9700.63,2705.63 R39.2@9740,2705.63
  Top Layer w30: v2(4785,1340) 4785,1630 4860,1705 4860,1887.43 4877.57,1905 v2(5110,1905)
  Bottom Layer w10: 5605,1295 5785,1295 6305,1815 v1(6655,1815) ; v1(7040,2205) 7165,2330 v1(7585,2330) ; v1(7585,2190) v1(8490,2190) ; v1(9080,2495) 9192.91,2607.91 9288.65,2607.91 9291.56,2605 v1(9390,2605)
  Bottom Layer w30: v2(4785,1340) 4830,1295 5605,1295 ; v2(5110,1905) 5110,2455 5215,2560 Q5.2@5354.51,2560
NetC44_1: J8.1 J8.2 R20.1 U18.5 | length 8834.4
  Top Layer w8: R20.1@11235.44,1904.71 11235.44,1898.8 11489.24,1645
  Top Layer w10: 8597.72,5172.72 8631.46,5206.46 8644.57,5206.46 8667.5,5229.39 J8.1@8667.5,5235 ; J8.1@8680.61,5242.5 8703.54,5265.43 8703.54,5278.54 ; v1(10845,4855) 10845,4425 10950,4320 11620,4320 12240,3700 12240,1845 12040,1645 11489.24,1645
  Top Layer w350: U18.5@8016.85,4445.06 U18.5@8026.69,4445.06 8110.06,4445.06 8525,4860 8525,5100 ; J8.2@8425,5235 8530,5235 ; 8631.46,5206.46 J8.1@8670,5245 ; J8.1@8667.5,5235 J8.1@8675,5235
  Bottom Layer w8: J8.1@8675,5235 8885,5025 8885,4859.69 8889.69,4855 v1(10845,4855)
NetC44_2: J7.1 J7.2 R18.1 | length 9565.3
  Top Layer w10: J7.1@9435,5230 J7.1@9440,5235 ; v5(9910,5235) 9980,5235 10250,5505 12394.14,5505 12400,5499.14 12400,1445 11973.42,1018.42 11101.58,1018.42 v1(11098.29,1021.71) ; R18.1@10659.37,1560 10710,1560 10735,1535 10735,1400 10825,1310 10825,1235 10885,1175 v1(11005,1175)
  Top Layer w600: 9270,5235 9440,5235 v5@9870,5235
  Bottom Layer w10: v1(11005,1175) 11098.29,1081.71 v1(11098.29,1021.71)
NetC46_2: C46.2 JP2.1 U14.17 | length 584.2
  Top Layer w10: U14.17@8193.37,2745.17 8194.09,2744.45 8194.09,2665.87 v1(8194.96,2665) ; v1(8235,2430) C46.2@8235,2374.37 8240.91,2374.37 8275.28,2340 v1@8295,2340
  Bottom Layer w10: v1(8194.96,2665) 8218.24,2641.72 8223.63,2641.72 8245,2620.36 8245,2442.71 8235,2432.71 v1(8235,2430) ; v1(8296.91,2341.91) 8404.44,2341.91 JP2.1@8406.52,2344
NetC50_1: C50.1 C51.1 U15.9 | length 325.5
  Top Layer w10: C51.1@5054.37,5470 C50.1@5054.37,5360 5054.37,5305.63 5140,5220 5179.88,5220 U15.9@5180,5219.88
NetC52_1: C52.1 C53.1 Q4.3 Q6.2@6775.49,4250 R52.1 U15.14 U18.4 | length 3849.4
  Top Layer w10: C53.1@5705,5200.63 C53.1@5705.63,5200
  Top Layer w25: v2(5385,5115) 5389.78,5119.78 5399.78,5119.78 5430,5150 U15.14@5430,5219.88
  Top Layer w30: U15.14@5430,5219.88 5430,5320 5550.68,5440.68 R52.1@5705,5440.68 ; C53.1@5705,5200.63 C52.1@5705,5330 ; C52.1@5705.63,5330 R52.1@5705.63,5440.05
  Top Layer w78: Q4.3@5439.51,4144.61 v3@5815.39,4144.61 ; v3(6610,4250) Q6.2@6775.49,4250 6945,4250 7130,4435 v3(7144.32,4435)
  Top Layer w600: 5835,4220 6375,4220 ; 6357.57,4210.79 6370.79,4210.79 ; v3(7144.32,4435) 7485,4435
  Bottom Layer w30: v2(5385,5115) 5260,4990 5260,4180 5290,4150 5434.11,4150 Q4.3@5434.51,4149.61
  other v3: 5812.29,4144.63
NetC52_2: C52.2 C53.2 D3.4 U15.16 | length 897.9
  Top Layer w10: U15.16@5530,5219.88 5530,5140 5585,5085 5760,5085 5785,5110 5785,5199.37 C53.2@5784.37,5200 C52.2@5784.37,5330 5830,5330 5895,5395 6060,5395 D3.4@6065,5390
NetC54_1: C54.1 C55.1 U16.9 | length 566.7
  Top Layer w10: U16.9@4960.12,1410 5030,1410 5075,1365 5075,1326.49 5080.86,1320.63 C54.1@5280,1320.63 5320.63,1320.63 5397.07,1397.07 5416.44,1397.07 C55.1@5430,1410.63
NetC56_1: C56.1 C57.1 Q5.3 Q7.2@6755.49,2585 R53.1 U16.14 | length 4483.9
  Top Layer w30: U16.14@4960.12,1660 4995,1660 5130,1525 v2(5290,1525) 5287.5,1527.5 R53.1@5287.5,1600.63 ; R53.1@5285,1600.63 R53.1@5287.5,1600.63 ; C57.1@5535,1600.63 C56.1@5415,1600.63 R53.1@5287.5,1600.63
  Top Layer w78: Q5.3@5354.51,2464.61 5730.39,2464.61 v3(5735,2460) ; v3(6570,2585) Q7.2@6755.49,2585 7070,2585 7107.5,2622.5
  Top Layer w600: v3(5735,2460) 6275,2460 6335.79,2520.79 6322.57,2520.79 ; 7107.5,2622.5 7801.18,3316.18 7801.18,3563
  Bottom Layer w30: v2(5290,1525) 5286.78,1528.22 5286.78,2396.87 Q5.3@5354.51,2464.61
  other v5: 7801.18,3741.18
NetC56_2: C56.2 C57.2 D4.4 U16.16 | length 1432
  Top Layer w10: C57.2@5520,1684.37 5540.91,1684.37 C57.2@5541.22,1684.06
  Top Layer w30: U16.16@4960.12,1760 5075,1760 5115,1800 5375,1800 5415,1760 C56.2@5415,1679.37 C57.2@5520,1679.37 ; C57.2@5541.22,1684.06 5539.69,1684.06 C57.2@5535,1679.37 5599.37,1679.37 5700,1780 5945,1780 6030,1695 6030,1544.76 D4.4@6025.24,1540
NetC58_1: 
NetC58_2: 
NetC60_1: 
NetC60_2: 
NetC65_1: C65.1 Inv_ADC_Curr.17 R74.2 R75.2 U1.21 U13.2 U13.5 | length 5012.9
  Top Layer w8: v1(9880,2844.5) 9881.89,2844.5 9884.91,2847.52 U1.21@9945.66,2847.52
  Top Layer w10: v1@8930,2835 U13.5@8930,3179.25 8930,3197.36 9030,3297.36 U13.2@9030,3395 9030,3709.92 9115,3794.92 R74.2@9190.55,3794.92 ; R75.2@8964.26,4000.11 C65.1@8964.26,4139.89 ; R75.2@8964.45,3999.92 9084.89,3999.92 9195.52,3889.29 R74.2@9195.52,3795.11 ; v1(9135.24,2957.38) 9200,2892.61 v1(9200,2745) ; v1(9195,3730) 9195.63,3730.63 R74.2@9195.63,3790 ; v1(9825,2300) 9825,2055 v1(9860,2020) ; v1(9895,2625) 9895,2690 v1(9935,2730) ; v1(10086.64,1953.36) 10110,1930 v1(10255,1930) ; v1(10335,1815) 10335,1600 Inv_ADC_Curr.17@10510,1425
  Bottom Layer w10: v1(8928.67,2834.06) 9014.06,2834.06 v1@9135,2955 ; v1(9200,2745) 9662.21,2745 9759.74,2842.53 9798.75,2842.53 9800.99,2840.29 9849.32,2840.29 9853.53,2844.5 v1(9880,2844.5) ; v1(9770,2840) 9770,2805 9845,2730 v1(9935,2730) ; v1(9825,2300) 9825,2555 v1(9895,2625) ; v1(9860,2020) 9926.64,1953.36 v1(10086.64,1953.36) ; v1(10255,1930) 10255,1895 v1(10335,1815)
NetC69_1: 
NetC72_1: C72.1 J2.2 R92.1 U22.6 | length 1306.8
  Top Layer w8: R92.1@11239.37,5345 11290,5345 v1(11380,5435)
  Top Layer w10: R92.1@11239.37,5345 C72.1@11239.37,5220 11244.57,5214.8 U22.6@11244.57,5015
  Bottom Layer w8: v1(11380,5435) 11382.3,5437.3 11399.47,5437.3 11399.59,5437.41 11407.59,5437.41 11840,5005 11987.03,5005 J2.2@11993.79,4998.24
NetC72_2: C72.2 J2.7 R92.2 U22.7 | length 1466.6
  Top Layer w10: C72.2@11160,5220 11160,5145 11144.57,5129.57 U22.7@11144.57,5015 11140,5010.43 11140,4955 11249.53,4845.47 11855,4845.47 11855,4865 11940,4950 12099.32,4950 J2.7@12105.6,4943.71 ; C72.2@11160.63,5220 R92.2@11160.63,5345
NetC73_2: C73.2 U1.41 U22.4 | length 2750.2
  Top Layer w8: v1(10265,2835) 10266.89,2835 10279.55,2822.35 10281.79,2822.35 10288.97,2815.17 10288.97,2780.63 10308.85,2760.74 U1.41@10308.85,2700.87 ; v1(10350,2920) 10350,3005 10384.33,3039.33 10387.83,3039.33 v1(10423.5,3075) ; v1(10477,3114) 10510.89,3147.89 10510.89,3255.45 10545.44,3290 v1(10625,3290) ; v1(10730,3810) v1(10730,4215)
  Top Layer w10: v1(10965,4390) 11080,4505 11277.12,4505 11316.49,4544.37 C73.2@11375,4544.37 11375,4615 11344.57,4645.43 U22.4@11344.57,4715
  Bottom Layer w8: v1(10265,2835) 10265.41,2835 10350,2919.59 v1(10350,2920) ; v1(10423.5,3075) 10461.16,3112.66 10475.66,3112.66 v1(10477,3114) ; v1(10625,3290) 10626.34,3290 10730,3393.66 v1(10730,3810) ; v1(10730,4215) 10905,4390 v1(10965,4390)
NetC74_2: C74.2 U22.3 | length 172.9
  Top Layer w10: U22.3@11244.57,4715 11244.57,4549.8 C74.2@11250,4544.37
NetC102_2: 
NetD1_4: D1.4 L1.1 Q1.2 Q1.4 | length 1029
  Top Layer w30: Q1.4@1438.11,2150 Q1.2@1701.89,2150 2069.76,2150 D1.4@2070,2149.76 2070.24,2150 L1.1@2466.93,2150
NetDS1_1: DS1.1 R56.1 | length 126
  Top Layer w10: DS1.1@11299.52,3925 11299.52,4030.59 R56.1@11313.94,4045
NetDS2_1: DS2.1 R59.1 | length 114.1
  Top Layer w10: R59.1@8375.63,3165 8385.48,3174.85 DS2.1@8385.48,3275
NetDS2_2: DS2.2 U14.23 | length 570.7
  Top Layer w10: U14.23@8346.91,2745.17 8346.96,2745.21 v1(8347,2835) v1(8347,2835) ; DS2.2@8444.53,3275 8445,3274.53 v1(8445,3235)
  Bottom Layer w10: v1(8347,2835) 8347,2897.35 8348.09,2898.44 8348.09,3138.09 v1(8445,3235)
NetDS3_1: DS3.1 R60.1 | length 124.6
  Top Layer w10: R60.1@8150.63,3175 8150,3175.63 8150,3225 8160.48,3235.48 DS3.1@8160.48,3295
NetDS3_2: DS3.2 U14.22 | length 592.6
  Top Layer w10: DS3.2@8219.53,3295 8220,3294.53 v1(8220,3255) ; U14.22@8321.32,2745.17 8321.66,2745.51 8321.66,2813.66 v1(8322,2814)
  Bottom Layer w10: v1(8220,3255) 8220,2916 v1(8322,2814)
NetDS4_1: DS4.1 R86.1 | length 101.5
  Top Layer w10: DS4.1@11899.09,2760 R86.1@12000.63,2760
NetDS4_2: DS4.2 Q9.1 | length 165.2
  Top Layer w10: Q9.1@11676.93,2765 11835.03,2765 DS4.2@11840.04,2760
NetDS5_1: DS5.1 R87.1 | length 90.9
  Top Layer w10: R87.1@8915,1285 DS5.1@8915,1375.91
NetDS6_1: DS6.1 R88.1 | length 83.6
  Top Layer w10: R88.1@9140,1294.37 9140,1370.91 DS6.1@9145,1375.91
NetDS7_1: DS7.1 R89.1 | length 91.5
  Top Layer w10: R89.1@9325,1279.37 DS7.1@9325,1370.91
NetDS8_1: DS8.1 R96.1 | length 106.7
  Top Layer w10: DS8.1@11889.52,2035 R96.1@11996.26,2035
NetDS8_2: DS8.2 Q10.1 | length 133.1
  Top Layer w10: Q10.1@11697.36,2035 DS8.2@11830.47,2035
NetDS9_1: DS9.1 R97.1 | length 125.7
  Top Layer w10: DS9.1@11899.06,2420 R97.1@12000.63,2420 12010.63,2420 12020.63,2410
NetDS9_2: DS9.2 Q11.1 | length 157.1
  Top Layer w10: Q11.1@11685,2415 11690,2420 DS9.2@11840,2420
NetFB1_1: FB1.1 IC1.8 | length 339.2
  Top Layer w20: FB1.1@8255,1735 v1(8255,1820) ; v1(8420,1825) 8423.52,1828.52 IC1.8@8423.52,1910.67
  Bottom Layer w20: v1(8255,1820) 8415,1820 v1(8420,1825)
NetIC1_2: IC1.2 R62.2 | length 553.1
  Top Layer w10: R62.2@8085,2305.63 8085,2175 8220,2040 8369.14,2040 8375,2045.86 8375,2117.85 IC1.2@8373.52,2119.33
NetIC1_3: IC1.3 R65.2 | length 496.3
  Top Layer w10: R65.2@8155,2515.63 8160.91,2515.63 8212.13,2464.41 8255.59,2464.41 8325,2395 8325,2120.8 IC1.3@8323.52,2119.33
NetJ3_1: J3.1 TZ2.20 U1.48 | length 6256.7
  Top Layer w8: U1.48@10446.65,2700.87 10446.65,2660.32 10461.31,2645.66 v1(10461.5,2645.66)
  Top Layer w10: v1(7055,1505) 7202.15,1652.15 v1(7486.14,1652.15) ; v1(7785,1820) 7815,1790 7815,1435 7660,1280 7660,1215 7685,1190 7815,1190 7915,1090 9114.09,1090 v1(9192.39,1168.31) ; v1(9434.22,1385.13) 9434.22,1275.78 v1@9435,1275 ; v1(10370,2025) 10470,2125 10470,2588.14 10476.5,2594.64 10476.5,2618.16 10462.46,2632.2 10462.46,2644.7 v1(10461.5,2645.66)
  Bottom Layer w10: J3.1@6770,1190 6797.48,1217.48 6797.48,1329.2 6960,1491.72 6960,1500.36 6974.64,1515 7042.29,1515 7052.29,1505 v1(7055,1505) ; v1(7486.14,1652.15) 7622.15,1652.15 7702.62,1732.62 7702.62,1737.62 v1(7785,1820) ; v1@9193.17,1168.17 9300.13,1275.13 v1(9434.22,1275.13) ; v1@9435,1385 10050,1385 10090,1425 TZ2.20@10135,1425 10140,1430 10140,1895 10270,2025 v1(10370,2025)
NetJ3_2: B_ADC_Curr.18 J3.2 U1.20 | length 7615.4
  Top Layer w8: v1(9840,2862.79) 9867.88,2862.79 9871.09,2866 9888.91,2866 9890.11,2867.2 U1.20@9945.66,2867.2
  Top Layer w10: v1(7115,1495.12) 7232.65,1612.77 v1(7470.52,1612.77) ; v1(7862.52,1823.79) 7862.52,1940.45 7863.09,1941.02 7863.09,1948.09 v1(7865,1950) ; v1(7930,1480) v1(7990,1480) ; v1(8930,1485) 9057.27,1485 9057.98,1485.71 9175.24,1485.71 9175.95,1485 9200,1485 9220,1465 9281.54,1465 9285.83,1460.71 9346.96,1460.71 9400,1407.67 v1(9400,1375) ; v1(9160,2735) 9174.87,2749.87 9174.87,2807.43 9168.56,2813.74 v1(9168.56,2816.44) ; v1(10319,1355) 10319,1369.51 B_ADC_Curr.18@10374.49,1425
  Bottom Layer w10: J3.2@6770,1090 6802.52,1122.52 6816.98,1122.52 7115,1420.54 v1(7115,1495.12) 7155.12,1495.12 7177.76,1517.76 7414.5,1517.76 7452.26,1480 v1(7930,1480) ; v1(7470.52,1612.77) 7473.22,1612.77 7487.6,1627.15 7662.15,1627.15 7839.44,1804.44 7843.17,1804.44 v1(7862.52,1823.79) ; v1(7865,1950) 7865,2000.07 7930.92,2065.99 7930.92,2066.27 7979.64,2115 8485.36,2115 8552.5,2182.14 8552.5,2187.86 8622.25,2257.61 8633.96,2257.61 8823.93,2447.58 8823.93,2483.93 9154.82,2814.82 9166.94,2814.82 v1(9168.56,2816.44) ; v1(7990,1480) 8045.18,1480 8048.79,1483.6 8485.69,1483.6 8487.09,1485 v1(8930,1485) ; v1(9160,2735) 9160,2737.71 9175,2752.71 9175,2755.36 9282.43,2862.79 v1(9840,2862.79) ; v1(9400,1375) 9420,1355 v1(10319,1355)
NetJ3_4: J3.4 P3.1 Temp_B1.11 U1.32 | length 8105.1
  Top Layer w8: v1(10124,2636) 10124,2637.89 10131.84,2645.74 10131.84,2700.71 U1.32@10131.68,2700.87
  Top Layer w10: v1(7000,1485) 7000,1485.36 7088.46,1573.81 7088.46,1593.46 7175,1680 v1(7475,1680) ; v1(7735,1834.42) 7735,1945 7875,2085 7949.64,2085 v1(7967.32,2067.32) ; v1(8803.61,2156.39) 8911.59,2264.36 8911.59,2279.41 9017.65,2385.47 9070.01,2385.47 v1(9098.52,2413.98) ; v1(11315,1740) 11355,1700 Temp_B1.11@11355,1420 ; v1(11315,2090) v1(11315,2550)
  Bottom Layer w10: J3.4@6670,1090 6722.52,1142.52 6808.69,1142.52 6817.48,1151.31 6817.48,1237.48 7000,1420 v1(7000,1485) ; v1(7475,1680) 7580,1680 7734.42,1834.42 v1(7735,1834.42) ; v1(7967.32,2067.32) 7994,2094 8630.36,2094 8635.36,2099 8739,2099 8778.79,2138.79 8784.14,2138.79 8801.74,2156.39 v1(8803.61,2156.39) ; v1(9098.52,2413.98) 9488.98,2413.98 9725.66,2650.66 10107.99,2650.66 10122.65,2636 v1(10124,2636) 10124,2606.75 10104.68,2587.43 10104.68,2415.94 10110.54,2410.08 10368.05,2410.08 10370.16,2407.97 10917.03,2407.97 11225,2100 11302.29,2100 11312.29,2090 v1(11315,2090) v1(11315,1740) ; v1(11315,2550) 11484.03,2550 11504.03,2530 12195.36,2530 12240.36,2575 P3.1@12310,2575
NetJ3_6: J3.6 P3.2 Temp_B2.12 U1.33 | length 8612.4
  Top Layer w8: v1(10150,2608) 10148.66,2609.34 10148.66,2623.33 10145,2627 10145,2634.45 10152.3,2641.75 10152.3,2659.56 10151.37,2660.5 U1.33@10151.37,2700.87
  Top Layer w10: v1(6887.5,1507.5) 6887.5,1508.36 7340,1960.86 v1(7340,2015) ; v1(8490,2240) 8604.64,2240 8619.64,2255 8716.72,2255 8916.72,2455 8925,2455 8970,2500 9016.88,2500 9040,2523.12 v1(9040,2615) ; v1(10280,2600) v1(10354,2600) ; v1(10402.62,2573.07) 10403.57,2574.03 10420.53,2574.03 v1(10451.5,2605) ; v1(10525,2600) 10525,2565.36 10555,2535.36 v1(10555,2380) ; v1(11070,1610) 11215,1465 11215,1440 Temp_B2.12@11225,1430 ; v1(11525,1725) 12075,1725 12205,1855 v1(12205,2630)
  Bottom Layer w10: J3.6@6570,1090 6617.48,1137.48 6617.48,1237.48 v1(6887.5,1507.5) ; v1(7340,2015) 7550,2225 8011.15,2225 8026.15,2240 v1(8490,2240) ; v1(9040,2615) 9127.5,2702.5 10137.5,2702.5 10153.3,2686.7 ; v1(10150,2608) 10149.04,2608.96 10149.04,2630.31 10145,2634.35 10145,2645.87 10153.3,2654.18 10153.3,2686.7 ; v1(10280,2600) 10280,2601.35 10273.11,2608.24 10273.11,2613.45 10259.93,2626.63 10241.75,2626.63 10237.62,2622.5 10218.98,2622.5 10205.8,2635.68 10205.8,2642.78 10161.88,2686.7 10153.3,2686.7 ; v1(10354,2600) 10380.12,2573.88 10401.81,2573.88 v1(10402.62,2573.07) ; v1(10451.5,2605) 10481.54,2605 10486.54,2600 v1(10525,2600) ; v1(10555,2380) 10670,2380 11070,1980 v1(11070,1610) ; Temp_B2.12@11225,1430 11518.09,1723.09 11523.09,1723.09 v1(11525,1725) ; v1(12205,2630) 12250,2675 P3.2@12310,2675